# Altium PCB BMS Slave V0.1.PcbDoc (part 4 of 6)
Units mm, origin at the board's own origin, x right, y up, seen from the top; angles counter-clockwise.
Board outline 105 x 163 mm, 4 copper layers (Top Layer, L2 (GND), L3 (PWR), Bottom Layer), stack 1.56 mm thick; 517 components, 382 nets, 1358 pads, 1315 vias.
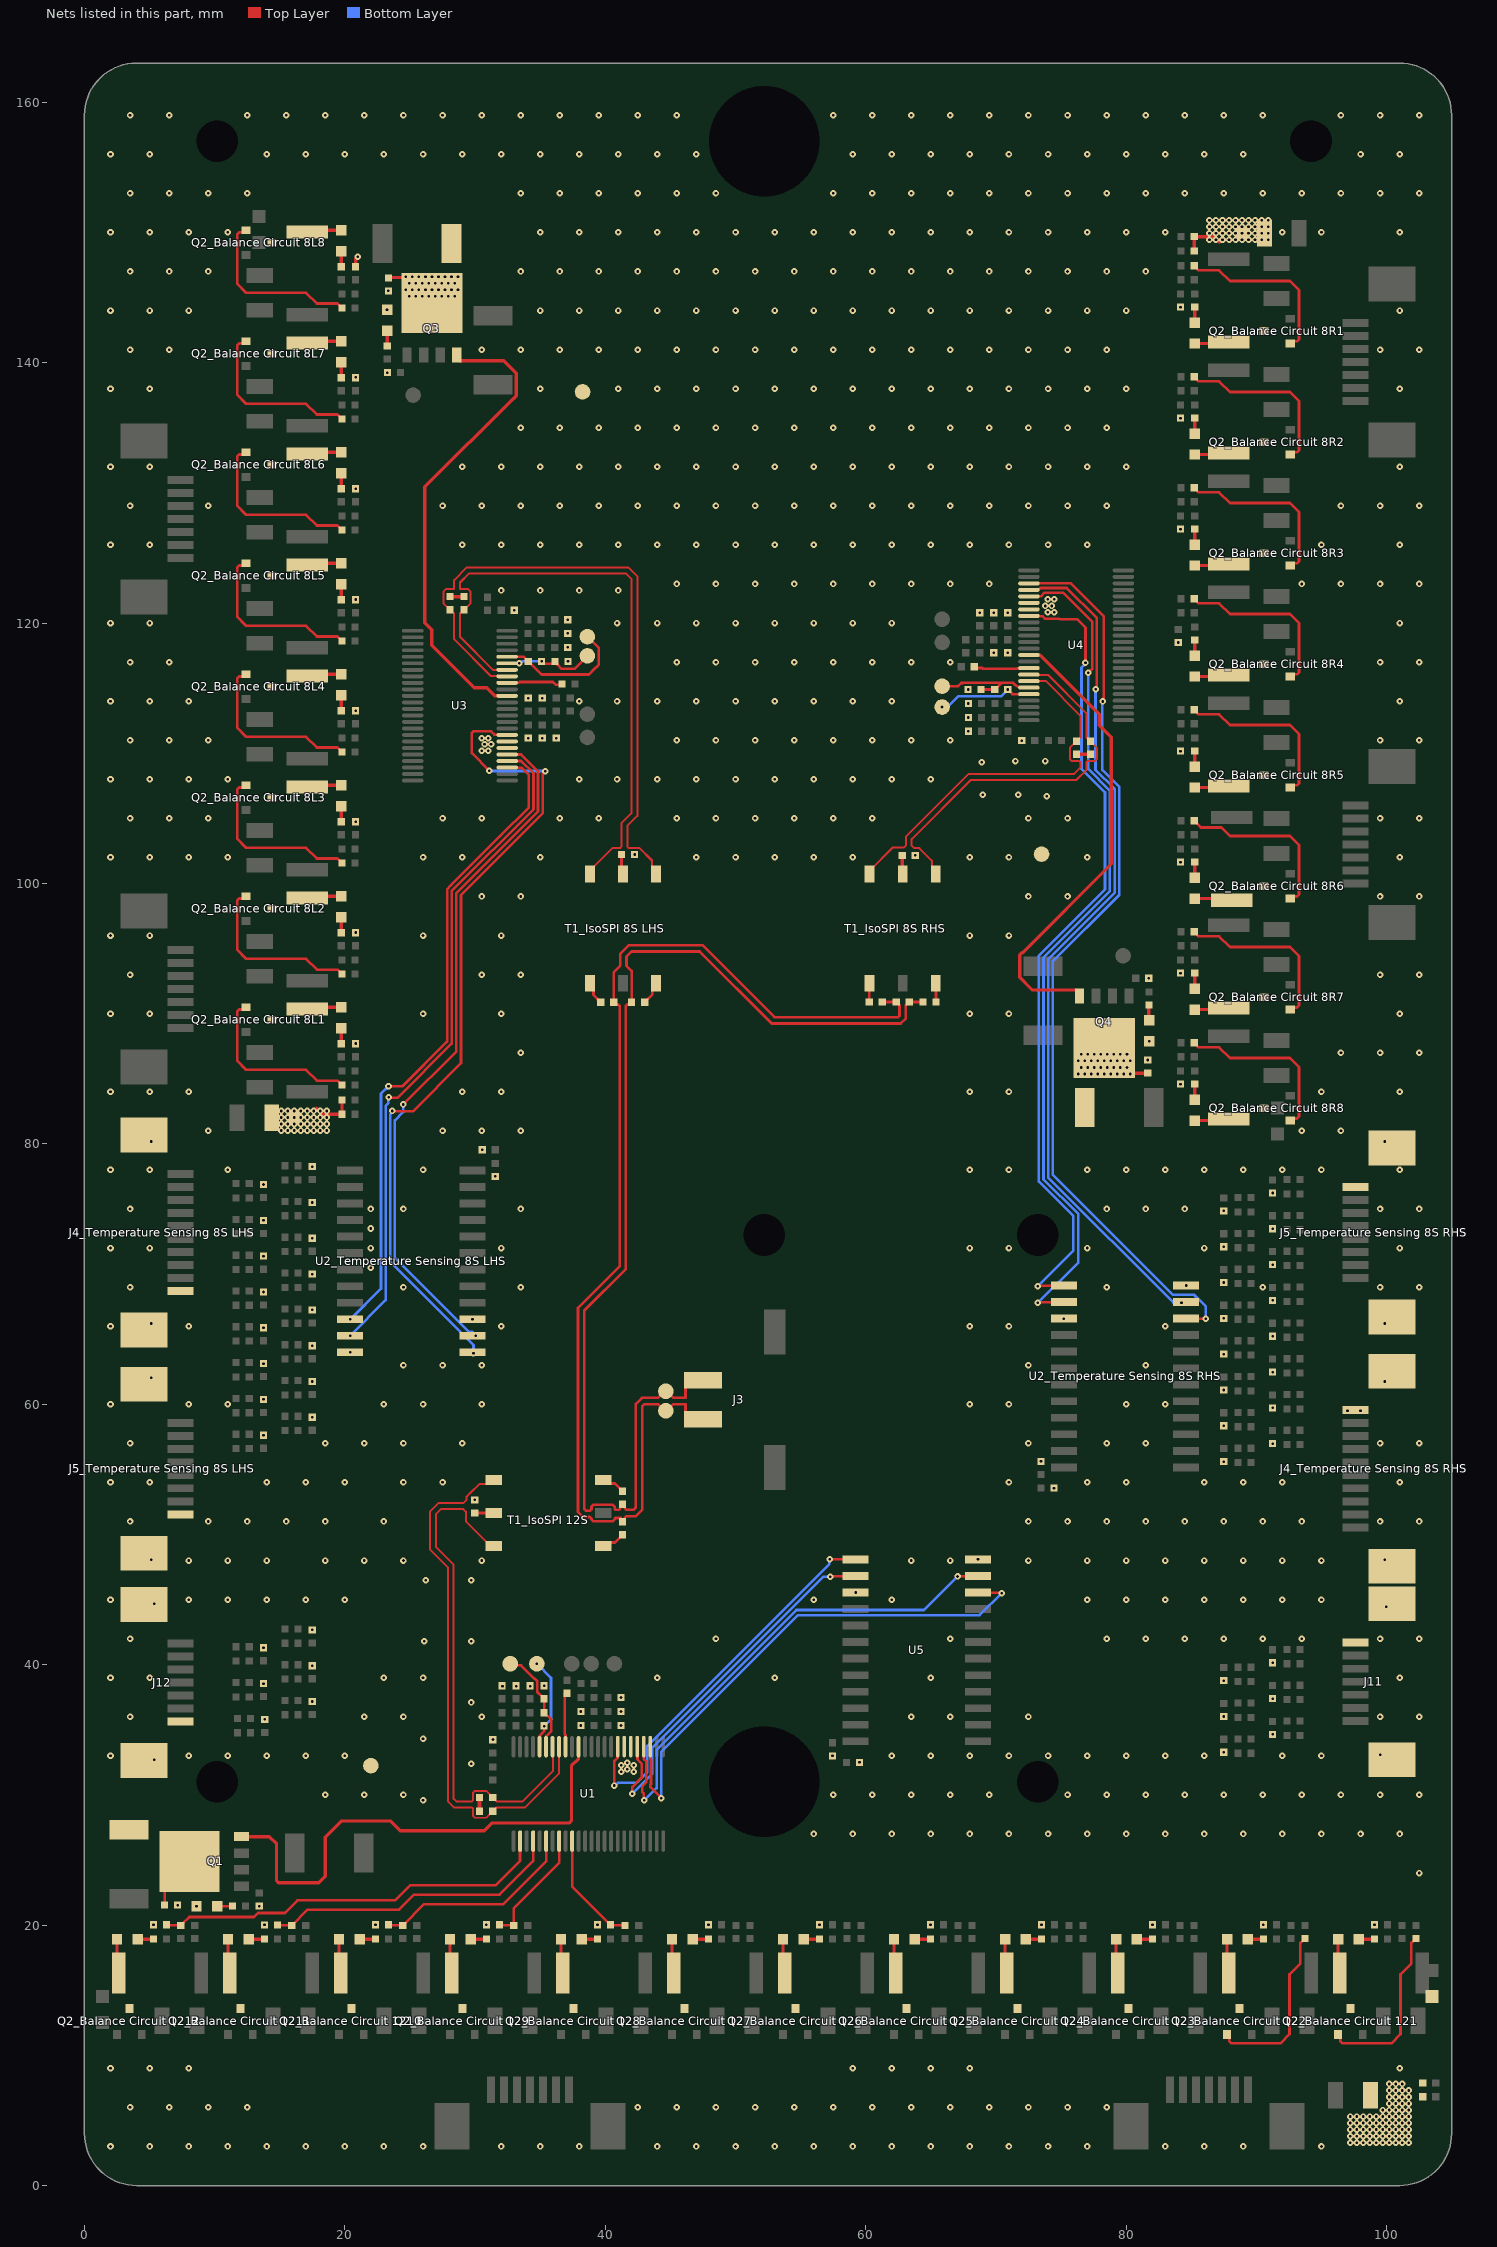
[diagram p6: the nets of this part, all layers, seen from the top]

## Via types
v1: diameter 0.5, hole 0.2, Top Layer to Bottom Layer, tented both sides, 1259 vias
v2: diameter 0.6, hole 0.3, Top Layer to Bottom Layer, tented both sides, 56 vias

## Nets (pads, with @x,y where several pads share a name; then routed paths per layer and width w, separated by ;. In a path a pad name is that pad's centre, name@x,y a point inside that pad or via, vN(x,y) a via of type N, cw(c..) or ccw(c..) an arc to the next point about the centre after c; other vN are vias at no path point) (continued)
C12_8: "C8_Balance Circuit 128.2" "R19_Balance Circuit 128.2" U1.10 | length 8.8
  Top Layer w0.203: U1.10@37.453,26.456 37.453,22.972 40.4,20.025 40.425,20 41.475,20 41.5,19.975
C12_9: "C8_Balance Circuit 129.2" "R19_Balance Circuit 129.2" U1.8 | length 9
  Top Layer w0.203: 31.875,20.025 31.9,20 32.95,20 32.975,19.975 32.975,21.3 36.453,24.778 U1.8@36.453,26.456
C12_10: "C8_Balance Circuit 1210.2" "R19_Balance Circuit 1210.2" U1.6 | length 15.7
  Top Layer w0.203: 23.35,20.025 23.375,20 24.425,20 24.45,19.975 26.088,21.613 32.17,21.613 35.453,24.896 U1.6@35.453,26.456
C12_11: "C8_Balance Circuit 1211.2" "R19_Balance Circuit 1211.2" U1.4 | length 23.2
  Top Layer w0.203: 14.825,20.025 14.85,20 15.9,20 15.925,19.975 17.139,21.189 24.158,21.189 25.308,22.339 31.87,22.339 34.453,24.922 U1.4@34.453,26.456
C12_12: "C8_Balance Circuit 1212.2" "R19_Balance Circuit 1212.2" U1.2 | length 30.5
  Top Layer w0.203: 6.3,20.025 6.325,20 7.375,20 7.4,19.975 ; 7.573,20.148 8.05,20.625 13.016,20.625 13.325,20.934 15.394,20.934 16.36,21.9 23.863,21.9 25.013,23.05 31.575,23.05 33.453,24.928 U1.2@33.453,26.456
Drive_2: Q1.4 U1.38 | length 38.7
  Top Layer w0.254: Q1.4@12.078,26.793 14.207,26.793 14.75,26.25 14.75,23.399 14.899,23.25 18,23.25 18.5,23.75 18.5,26.75 19.75,28 23.5,28 24.25,27.25 30.703,27.25 31.303,27.85 37.251,27.85 37.4,27.999 37.4,32.225 37.944,32.769 U1.38@37.944,33.697
Drive_4: Q3.4 U3.38 | length 36.7
  Top Layer w0.254: Q3.4@28.593,140.582 28.593,140.357 28.816,140.134 32.206,140.134 33.167,139.173 33.167,137.441 33.004,137.278 32.959,137.278 26.138,130.457 26.138,120.012 26.673,119.477 26.673,118.288 29.936,115.025 30.895,115.025 31.513,114.407 U3.38@32.463,114.407
Drive_5: Q4.4 U4.38 | length 36.1
  Top Layer w0.254: U4.38@72.537,117.543 72.546,117.534 73.391,117.534 77.937,112.988 77.937,112.143 78.862,111.218 78.862,101.493 72.041,94.672 71.996,94.672 71.833,94.509 71.833,92.777 72.794,91.816 76.184,91.816 76.407,91.593 Q4.4@76.407,91.368
GND_8L_1: "C8_Balance Circuit 8L1.1" "C8_Balance Circuit 8L2.1" "C8_Balance Circuit 8L3.1" "C8_Balance Circuit 8L4.1" "C8_Balance Circuit 8L5.1" "C8_Balance Circuit 8L6.1" "C8_Balance Circuit 8L7.1" "C8_Balance Circuit 8L8.1" "C10_IsoSPI 8S LHS.1" "C11_Temperature Sensing 8S LHS.2" "C12_Temperature Sensing 8S LHS.1" "C13_NTC Sense 8S1.1" "C13_NTC Sense 8S2.1" "C13_NTC Sense 8S3.1" "C13_NTC Sense 8S4.1" "C13_NTC Sense 8S5.1" "C13_NTC Sense 8S6.1" "C13_NTC Sense 8S7.1" "C13_NTC Sense 8S8.1" "C13_NTC Sense 8S9.1" "C13_NTC Sense 8S10.1" "C13_NTC Sense 8S11.1" "C13_NTC Sense 8S12.1" "C13_NTC Sense 8S13.1" "C13_NTC Sense 8S14.1" "C13_NTC Sense 8S15.1" "C13_NTC Sense 8S16.1" "J4_Temperature Sensing 8S LHS.10" "J4_Temperature Sensing 8S LHS.S1" "J4_Temperature Sensing 8S LHS.S2" "J5_Temperature Sensing 8S LHS.8" "J5_Temperature Sensing 8S LHS.S1" "J5_Temperature Sensing 8S LHS.S2" "U2_Temperature Sensing 8S LHS.12" "U2_Temperature Sensing 8S LHS.15" C14.1 C15.1 C16.1 C17.1 C18.1 C19.1 C20.1 D3.1 F3.2 NT3.1 R32.1 R33.2 R35.1 R40.1 R41.1 R42.1 R43.1 TP14.1 U3.30 U3.31 | length 4.2
  Top Layer w0.254: 17.825,82.725 18.275,82.275 C20.1@19.775,82.275 R35.1@19.775,83.375 ; v1@20.825,87.685 v1(20.825,87.71) ; v1@20.825,96.21 v1(20.825,96.235) ; v1@20.825,121.785 v1(20.825,121.81) ; v1@20.825,138.835 v1(20.825,138.86) ; 20.825,147.36 20.825,147.985 v1(20.975,148.135)
  other v1: 8,48 11,48 14,48 5.126,48.06 3.5,51 9.5,51 12.5,51 15.5,51 18.5,51 2,54 5,54 14,54 17,54 20,54 3.5,57 18.5,57 21.5,57 24.5,57 13.75,57.625 17.5,59 2,60 8,60 11,60 23,60 26,60 13.75,60.375 17.5,61.75 5.126,62.04 24.5,63 27.5,63 30.5,63 13.75,63.125 20.4,63.99 17.5,64.5 13.75,65.875 2,66 8,66 32,66 5.126,66.2 29.8,66.53 17.5,67.25 13.75,68.625 3.5,69 24.5,69 33.5,69 17.5,70 22,70.5 13.75,71.375 2,72 5,72 22,72 32,72 17.5,72.75 22,73.5 13.75,74.125 3.5,75 22,75 24.5,75 33.5,75 17.5,75.5 13.75,76.875 31.55,77.5 2,78 5,78 11,78 26,78 17.5,78.25 30.55,79.55 5.126,80.18 9.5,81 27.5,81 30.5,81 33.5,81 15.1,81.025 15.6,81.025 16.1,81.025 16.6,81.025 17.1,81.025 17.6,81.025 18.1,81.025 18.6,81.025 15.1,81.525 15.6,81.525 16.1,81.525 16.6,81.525 17.1,81.525 17.6,81.525 18.1,81.525 18.6,81.525 15.1,82.025 15.6,82.025 16.1,82.025 16.6,82.025 17.1,82.025 17.6,82.025 18.1,82.025 18.6,82.025 15.1,82.525 15.6,82.525 16.1,82.525 16.6,82.525 17.1,82.525 17.6,82.525 18.1,82.525 18.6,82.525 2,84 5,84 8,84 29,84 32,84 33.5,87 2,90 5,90 26,90 32,90 3.5,93 30.5,93 33.5,93 2,96 5,96 26,96 32,96 30.5,99 33.5,99 2,102 5,102 8,102 11,102 26,102 29,102 35,102 47,102 50,102 42.25,102.225 20.825,104.735 3.5,105 6.5,105 9.5,105 27.5,105 30.5,105 36.5,105 39.5,105 45.5,105 48.5,105 51.5,105 2,108 5,108 8,108 11,108 38,108 40.9,108 44,108 47,108 50,108 30.525,110.189 31.025,110.189 30.725,110.689 31.225,110.689 3.5,111 6.5,111 9.5,111 45.5,111 48.5,111 51.5,111 34.088,111.157 35.163,111.157 36.238,111.157 30.525,111.164 31.025,111.164 20.825,113.26 2,114 5,114 8,114 38,114 40.9,114 44,114 47,114 50,114 34.088,114.232 35.163,114.232 3.5,117 6.5,117 45.5,117 48.5,117 51.5,117 37.138,117.057 37.113,118.132 37.113,119.207 2,120 5,120 40.9,120 44,120 47,120 50,120 37.113,120.257 33.013,120.982 32,122.5 35,122.5 38,122.5 41,122.5 45.5,123 48.5,123 51.5,123 2,126 5,126 29,126 32,126 35,126 38,126 41,126 44,126 47,126 50,126 3.5,129 9.5,129 27.5,129 30.5,129 33.5,129 36.5,129 39.5,129 42.5,129 45.5,129 48.5,129 51.5,129 20.825,130.31 2,132 5,132 29,132 32,132 35,132 38,132 41,132 44,132 47,132 50,132 33.5,135 36.5,135 39.5,135 42.5,135 45.5,135 48.5,135 51.5,135 2,138 5,138 35,138 41,138 44,138 47,138 50,138 23.263,139.232 3.5,141 6.5,141 30.5,141 33.5,141 36.5,141 39.5,141 42.5,141 45.5,141 48.5,141 51.5,141 2,144 5,144 8,144 35,144 38,144 41,144 44,144 47,144 50,144 23.238,144.057 23.338,145.507 3.5,147 6.5,147 9.5,147 33.5,147 36.5,147 39.5,147 42.5,147 45.5,147 48.5,147 51.5,147 2,150 5,150 8,150 11,150 35,150 38,150 41,150 44,150 47,150 50,150 3.5,153 6.5,153 9.5,153 12.5,153 33.5,153 36.5,153 39.5,153 42.5,153 45.5,153 48.5,153 2,156 5,156 14,156 17,156 20,156 23,156 26,156 29,156 32,156 35,156 38,156 41,156 44,156 47,156 3.5,159 6.5,159 12.5,159 15.5,159 18.5,159 21.5,159 24.5,159 27.5,159 30.5,159 33.5,159 36.5,159 39.5,159 42.5,159 45.5,159
GND_8R_1: "C8_Balance Circuit 8R1.1" "C8_Balance Circuit 8R2.1" "C8_Balance Circuit 8R3.1" "C8_Balance Circuit 8R4.1" "C8_Balance Circuit 8R5.1" "C8_Balance Circuit 8R6.1" "C8_Balance Circuit 8R7.1" "C8_Balance Circuit 8R8.1" "C10_IsoSPI 8S RHS.1" "C11_Temperature Sensing 8S RHS.2" "C12_Temperature Sensing 8S RHS.1" "C13_NTC Sense 8S17.1" "C13_NTC Sense 8S18.1" "C13_NTC Sense 8S19.1" "C13_NTC Sense 8S20.1" "C13_NTC Sense 8S21.1" "C13_NTC Sense 8S22.1" "C13_NTC Sense 8S23.1" "C13_NTC Sense 8S24.1" "C13_NTC Sense 8S25.1" "C13_NTC Sense 8S26.1" "C13_NTC Sense 8S27.1" "C13_NTC Sense 8S28.1" "C13_NTC Sense 8S29.1" "C13_NTC Sense 8S30.1" "C13_NTC Sense 8S31.1" "C13_NTC Sense 8S32.1" "J4_Temperature Sensing 8S RHS.10" "J4_Temperature Sensing 8S RHS.S1" "J4_Temperature Sensing 8S RHS.S2" "J5_Temperature Sensing 8S RHS.8" "J5_Temperature Sensing 8S RHS.S1" "J5_Temperature Sensing 8S RHS.S2" "U2_Temperature Sensing 8S RHS.12" "U2_Temperature Sensing 8S RHS.15" C21.1 C22.1 C23.1 C24.1 C25.1 C26.1 C27.1 D4.1 F4.2 NT5.1 R50.1 R51.2 R53.1 R58.1 R59.1 R60.1 R61.1 TP20.1 U4.30 U4.31 | length 3.3
  Top Layer w0.254: v1(84.175,101.615) v1@84.175,101.64 ; v1(84.175,144.24) v1@84.175,144.265 ; R53.1@85.225,148.575 C27.1@85.225,149.675 86.725,149.675 87.175,149.225
  other v1: 77,48 80,48 83,48 86,48 89,48 92,48 95,48 99.874,48.06 72.5,51 75.5,51 78.5,51 81.5,51 84.5,51 87.5,51 90.5,51 93.5,51 99.5,51 102.5,51 74.463,53.563 71,54 77,54 80,54 86,54 89,54 92,54 101,54 87.5,55.6 73.462,55.613 91.25,56.975 72.5,57 78.5,57 81.5,57 99.5,57 102.5,57 87.5,58.35 97,59.5 98,59.5 91.25,59.725 68,60 71,60 80,60 83,60 87.5,61.1 99.85,61.75 91.25,62.475 72.5,63 81.5,63 87.5,63.85 91.25,65.225 68,66 71,66 83,66 99.874,66.2 75.213,66.583 87.5,66.6 91.25,67.975 78.5,69 90.5,69 99.5,69 102.5,69 84.613,69.123 87.5,69.35 91.25,70.725 68,72 71,72 77,72 86,72 101,72 87.5,72.1 91.25,73.475 87.5,74.85 78.5,75 81.5,75 84.5,75 99.5,75 102.5,75 91.25,76.225 68,78 71,78 77,78 80,78 83,78 86,78 89,78 92,78 95,78 101,78 99.874,80.18 93.5,81 96.5,81 68,84 71,84 95,84 101,84 84.175,84.59 81.662,86.443 96.5,87 99.5,87 102.5,87 81.762,87.893 68,90 71,90 101,90 81.737,92.718 99.5,93 102.5,93 84.175,93.115 68,96 71,96 72.5,99 75.5,99 99.5,99 102.5,99 53,102 56,102 59,102 68,102 71,102 77,102 101,102 63.8,102.15 54.5,105 57.5,105 60.5,105 72.5,105 75.5,105 99.5,105 102.5,105 73.9,106.7 69,106.8 71.7,106.8 53,108 56,108 59,108 62,108 65,108 68.9,109.3 71.5,109.4 73.8,109.4 84.175,110.165 71.987,110.968 54.5,111 57.5,111 60.5,111 63.5,111 66.5,111 99.5,111 102.5,111 67.887,111.693 67.887,112.743 67.887,113.818 53,114 56,114 59,114 62,114 101,114 67.862,114.893 54.5,117 57.5,117 60.5,117 63.5,117 66.5,117 99.5,117 102.5,117 69.837,117.718 70.912,117.718 84,118.5 53,120 56,120 59,120 62,120 101,120 68.762,120.793 69.837,120.793 70.912,120.793 73.975,120.836 74.475,120.836 73.775,121.311 74.275,121.311 73.975,121.811 74.475,121.811 54.5,123 57.5,123 60.5,123 63.5,123 66.5,123 69.5,123 93.5,123 96.5,123 99.5,123 102.5,123 53,126 56,126 59,126 62,126 65,126 68,126 71,126 74,126 77,126 95,126 101,126 84.175,127.215 54.5,129 57.5,129 60.5,129 63.5,129 66.5,129 69.5,129 72.5,129 75.5,129 78.5,129 96.5,129 99.5,129 102.5,129 53,132 56,132 59,132 62,132 65,132 68,132 71,132 74,132 77,132 80,132 101,132 54.5,135 57.5,135 60.5,135 63.5,135 66.5,135 69.5,135 72.5,135 75.5,135 78.5,135 84.175,135.74 53,138 56,138 59,138 62,138 65,138 68,138 71,138 74,138 77,138 80,138 101,138 54.5,141 57.5,141 60.5,141 63.5,141 66.5,141 69.5,141 72.5,141 75.5,141 78.5,141 99.5,141 102.5,141 53,144 56,144 59,144 62,144 65,144 68,144 71,144 74,144 77,144 80,144 101,144 54.5,147 57.5,147 60.5,147 63.5,147 66.5,147 69.5,147 72.5,147 75.5,147 78.5,147 81.5,147 86.4,149.425 86.9,149.425 87.4,149.425 87.9,149.425 88.4,149.425 88.9,149.425 89.4,149.425 89.9,149.425 90.4,149.425 90.9,149.425 86.4,149.925 86.9,149.925 87.4,149.925 87.9,149.925 88.4,149.925 88.9,149.925 89.4,149.925 89.9,149.925 90.4,149.925 90.9,149.925 53,150 56,150 59,150 62,150 65,150 68,150 71,150 74,150 77,150 80,150 83,150 92,150 95,150 101,150 86.4,150.425 86.9,150.425 87.4,150.425 87.9,150.425 88.4,150.425 88.9,150.425 89.4,150.425 89.9,150.425 90.4,150.425 90.9,150.425 86.4,150.925 86.9,150.925 87.4,150.925 87.9,150.925 88.4,150.925 88.9,150.925 89.4,150.925 89.9,150.925 90.4,150.925 90.9,150.925 57.5,153 60.5,153 63.5,153 66.5,153 69.5,153 72.5,153 75.5,153 78.5,153 81.5,153 84.5,153 87.5,153 90.5,153 93.5,153 96.5,153 99.5,153 102.5,153 59,156 62,156 65,156 68,156 71,156 74,156 77,156 80,156 83,156 86,156 89,156 98,156 101,156 57.5,159 60.5,159 63.5,159 66.5,159 69.5,159 72.5,159 75.5,159 78.5,159 81.5,159 84.5,159 87.5,159 90.5,159 96.5,159 99.5,159 102.5,159
GND_12_1: "C8_Balance Circuit 121.1" "C8_Balance Circuit 122.1" "C8_Balance Circuit 123.1" "C8_Balance Circuit 124.1" "C8_Balance Circuit 125.1" "C8_Balance Circuit 126.1" "C8_Balance Circuit 127.1" "C8_Balance Circuit 128.1" "C8_Balance Circuit 129.1" "C8_Balance Circuit 1210.1" "C8_Balance Circuit 1211.1" "C8_Balance Circuit 1212.1" "C10_IsoSPI 12S.1" "C13_NTC Sense 12S1.1" "C13_NTC Sense 12S2.1" "C13_NTC Sense 12S3.1" "C13_NTC Sense 12S4.1" "C13_NTC Sense 12S5.1" "C13_NTC Sense 12S6.1" "C13_NTC Sense 12S7.1" "C13_NTC Sense 12S8.1" "C13_NTC Sense 12S9.1" "C13_NTC Sense 12S10.1" "C13_NTC Sense 12S11.1" "C13_NTC Sense 12S12.1" C1.1 C2.1 C3.1 C4.1 C5.1 C6.1 C7.1 C28.2 C29.1 D1.1 F1.2 J11.7 J11.S1 J11.S2 J12.7 J12.S1 J12.S2 NT1.1 R6.1 R7.2 R9.1 R14.1 R15.1 R16.1 R17.1 TP13.1 U1.30 U1.31 U5.12 U5.15
  other v1: 2,3 5,3 8,3 11,3 14,3 17,3 20,3 23,3 26,3 32,3 35,3 38,3 44,3 47,3 50,3 53,3 56,3 59,3 62,3 65,3 68,3 71,3 74,3 77,3 83,3 86,3 89,3 95,3 97.2,3.3 97.7,3.3 98.2,3.3 98.7,3.3 99.2,3.3 99.7,3.3 100.2,3.3 100.7,3.3 101.2,3.3 101.7,3.3 97.2,3.8 97.7,3.8 98.2,3.8 98.7,3.8 99.2,3.8 99.7,3.8 100.2,3.8 100.7,3.8 101.2,3.8 101.7,3.8 97.2,4.3 97.7,4.3 98.2,4.3 98.7,4.3 99.2,4.3 99.7,4.3 100.2,4.3 100.7,4.3 101.2,4.3 101.7,4.3 97.2,4.8 97.7,4.8 98.2,4.8 98.7,4.8 99.2,4.8 99.7,4.8 100.2,4.8 100.7,4.8 101.2,4.8 101.7,4.8 97.2,5.3 97.7,5.3 98.2,5.3 98.7,5.3 99.2,5.3 99.7,5.3 100.2,5.3 100.7,5.3 101.2,5.3 101.7,5.3 99.7,5.8 100.2,5.8 100.7,5.8 101.2,5.8 101.7,5.8 3.5,6 6.5,6 9.5,6 12.5,6 42.5,6 45.5,6 48.5,6 51.5,6 54.5,6 57.5,6 60.5,6 63.5,6 66.5,6 69.5,6 72.5,6 75.5,6 78.5,6 100.2,6.3 100.7,6.3 101.2,6.3 101.7,6.3 100.2,6.8 100.7,6.8 101.2,6.8 101.7,6.8 100.2,7.3 100.7,7.3 101.2,7.3 101.7,7.3 100.2,7.8 100.7,7.8 101.2,7.8 2,9 5,9 8,9 59,9 62,9 65,9 68,9 101,9 5.3,20.025 13.825,20.025 22.35,20.025 30.85,20.025 39.4,20.025 47.925,20.025 56.45,20.025 64.975,20.025 73.5,20.025 82.025,20.025 90.525,20.025 99.075,20.025 8.603,21.438 13.428,21.463 7.153,21.538 102.5,24 56,27 59,27 62,27 65,27 68,27 71,27 74,27 77,27 80,27 83,27 86,27 89,27 92,27 95,27 98,27 101,27 26,29.6 18.5,30 21.5,30 24.5,30 57.5,30 60.5,30 63.5,30 66.5,30 69.5,30 75.5,30 78.5,30 81.5,30 84.5,30 87.5,30 90.5,30 93.5,30 96.5,30 99.5,30 102.5,30 41.221,31.768 42.196,31.768 41.696,31.968 41.221,32.268 42.196,32.268 29.7,32.4 41.696,32.468 59.525,32.5 5.35,32.71 2,33 8,33 11,33 14,33 17,33 20,33 57.45,33 62,33 65,33 68,33 71,33 74,33 77,33 80,33 83,33 86,33 92,33 95,33 99.525,33.075 87.5,33.275 31.378,34.256 26,34.3 91.25,34.65 38.128,35.331 41.203,35.331 13.85,35.8 3.5,36 21.5,36 24.5,36 30.5,36 63.5,36 66.5,36 72.5,36 87.5,36.025 99.5,36 102.5,36 38.128,36.406 41.203,36.406 29.7,37.1 17.5,37.175 91.25,37.4 41.203,37.481 32.103,38.356 33.153,38.356 34.228,38.356 35.303,38.381 13.75,38.55 87.5,38.775 2,39 5,39 23,39 26,39 44,39 53,39 65,39 101,39 17.5,39.925 91.25,40.15 13.75,41.3 26.1,41.8 29.7,41.8 3.5,42 48.5,42 66.5,42 78.5,42 81.5,42 84.5,42 87.5,42 90.5,42 93.5,42 99.5,42 102.5,42 17.5,42.675 99.975,44.45 5.35,44.69 2,45 8,45 11,45 14,45 17,45 20,45 56,45 62,45 77,45 80,45 83,45 86,45 89,45 92,45 95,45 59.225,45.545 26.2,46.5 29.7,46.5 18.5,48 21.5,48 24.5,48 30.5,48 63.5,48 66.5,48 72.5,48 68.625,48.085 23,51 29.975,52.675 24.5,54 27.5,54 29,57 30.5,60
GPIO8L.1: "U2_Temperature Sensing 8S LHS.10" U3.27 | length 50
  Top Layer w0.203: v1(23.35,84.425) 24.425,84.425 27.85,87.85 27.85,99.55 28.163,99.863 31.925,103.625 34.125,105.825 34.125,108.316 33.552,108.889 32.482,108.889 U3.27@32.463,108.907
  Bottom Layer w0.203: v1@20.43,66.53 22.775,68.875 22.775,83.85 v1(23.35,84.425)
  other v1: 20.4,66.53
GPIO8L.2: "U2_Temperature Sensing 8S LHS.11" U3.28 | length 51.9
  Top Layer w0.203: v1(23.375,83.575) 23.421,83.529 24.031,83.529 28.206,87.703 28.206,99.403 34.481,105.678 34.481,108.463 33.537,109.407 U3.28@32.463,109.407
  Bottom Layer w0.203: v1(20.4,65.26) 23.131,67.991 23.131,82.921 23.318,83.109 23.318,83.518 v1(23.375,83.575)
GPIO8L.3: "U2_Temperature Sensing 8S LHS.14" U3.29 | length 53.5
  Top Layer w0.203: v1(24.475,83.025) 28.561,87.111 28.561,99.255 34.836,105.53 34.836,108.611 33.54,109.907 U3.29@32.463,109.907
  Bottom Layer w0.203: v1(24.475,83.025) 24.475,82.433 23.842,81.8 23.842,71.233 29.498,65.577 29.743,65.577 v1(30.045,65.275)
GPIO8L.4: "U2_Temperature Sensing 8S LHS.13" U3.32 | length 63.9
  Top Layer w0.203: v1(23.65,82.525) 23.675,82.5 25.225,82.5 28.917,86.192 28.917,99.108 35.192,105.383 35.192,108.408 35.39,108.606 v1(35.39,108.625) ; v1(31.1,108.65) 29.75,110 29.75,111.556 29.869,111.675 31.227,111.675 31.476,111.426 32.444,111.426 U3.32@32.463,111.407
  Bottom Layer w0.203: v1(23.65,82.525) 23.65,82.445 23.486,82.281 23.486,70.939 29.875,64.55 v1(29.875,63.925) ; v1(31.1,108.65) 31.112,108.638 35.378,108.638 v1(35.39,108.625)
GPIO8R.1: "U2_Temperature Sensing 8S RHS.10" U4.27 | length 70.8
  Top Layer w0.203: U4.27@72.537,123.043 75.757,123.043 78.275,120.525 78.275,114.242 78.257,114.224 78.257,114.032 v1(78.2,113.975) ; 84.613,66.583 84.616,66.579 86.121,66.579 v1(86.125,66.575) v1@86.163,66.613
  Bottom Layer w0.203: v1(78.2,113.975) 78.175,113.95 78.175,108.706 79.477,107.404 79.477,99.132 74.362,94.017 74.362,77.638 83.575,68.425 85.192,68.425 86.125,67.492 v1(86.125,66.575)
GPIO8R.2: "U2_Temperature Sensing 8S RHS.11" U4.28 | length 66.1
  Top Layer w0.203: U4.28@72.537,122.543 U4.28@73.238,122.543 ; U4.28@73.325,122.6 73.412,122.687 75.438,122.687 77.75,120.375 77.75,115.167 77.732,115.149 77.732,114.957 v1(77.675,114.9)
  Bottom Layer w0.203: v1(77.675,114.9) 77.65,114.875 77.65,108.728 79.093,107.285 79.093,107.257 79.121,107.229 79.121,99.279 74.007,94.165 74.007,77.418 83.625,67.8 v1@84.253,67.8
  other v1: 84.253,67.792
GPIO8R.3: "U2_Temperature Sensing 8S RHS.14" U4.29 | length 65.5
  Top Layer w0.203: U4.29@72.537,122.043 72.54,122.046 73.446,122.046 73.732,122.332 75.168,122.332 77.394,120.106 77.394,116.469 v1(77.1,116.175) ; v1(73.225,67.8) 73.251,67.826 75.186,67.826 75.213,67.853
  Bottom Layer w0.203: v1(73.225,67.8) 76.325,70.9 76.325,74.597 73.651,77.271 73.651,94.312 78.738,99.398 78.738,107.138 77.1,108.775 v1(77.1,116.175)
GPIO8R.4: "U2_Temperature Sensing 8S RHS.13" U4.32 | length 62.5
  Top Layer w0.203: U4.32@72.537,120.543 72.556,120.524 73.299,120.524 73.574,120.524 73.776,120.322 74.871,120.322 74.893,120.3 76.225,120.3 76.875,119.65 v1(76.875,116.95) ; v1(73.225,69.07) 73.251,69.096 75.186,69.096 75.213,69.123
  Bottom Layer w0.203: v1(73.225,69.07) 75.95,71.795 75.95,74.45 73.295,77.105 73.295,94.459 78.382,99.546 78.382,106.99 76.575,108.797 76.575,116.57 76.875,116.87 v1(76.875,116.95)